# Altium PCB GUETflyminiV1.2.PcbDoc
Units mm, origin at the board's own origin, x right, y up, seen from the top; angles counter-clockwise.
Board outline 30.25 x 50.29 mm, 2 copper layers (Top Layer, Bottom Layer); 61 components, 52 nets, 251 pads, 81 vias.
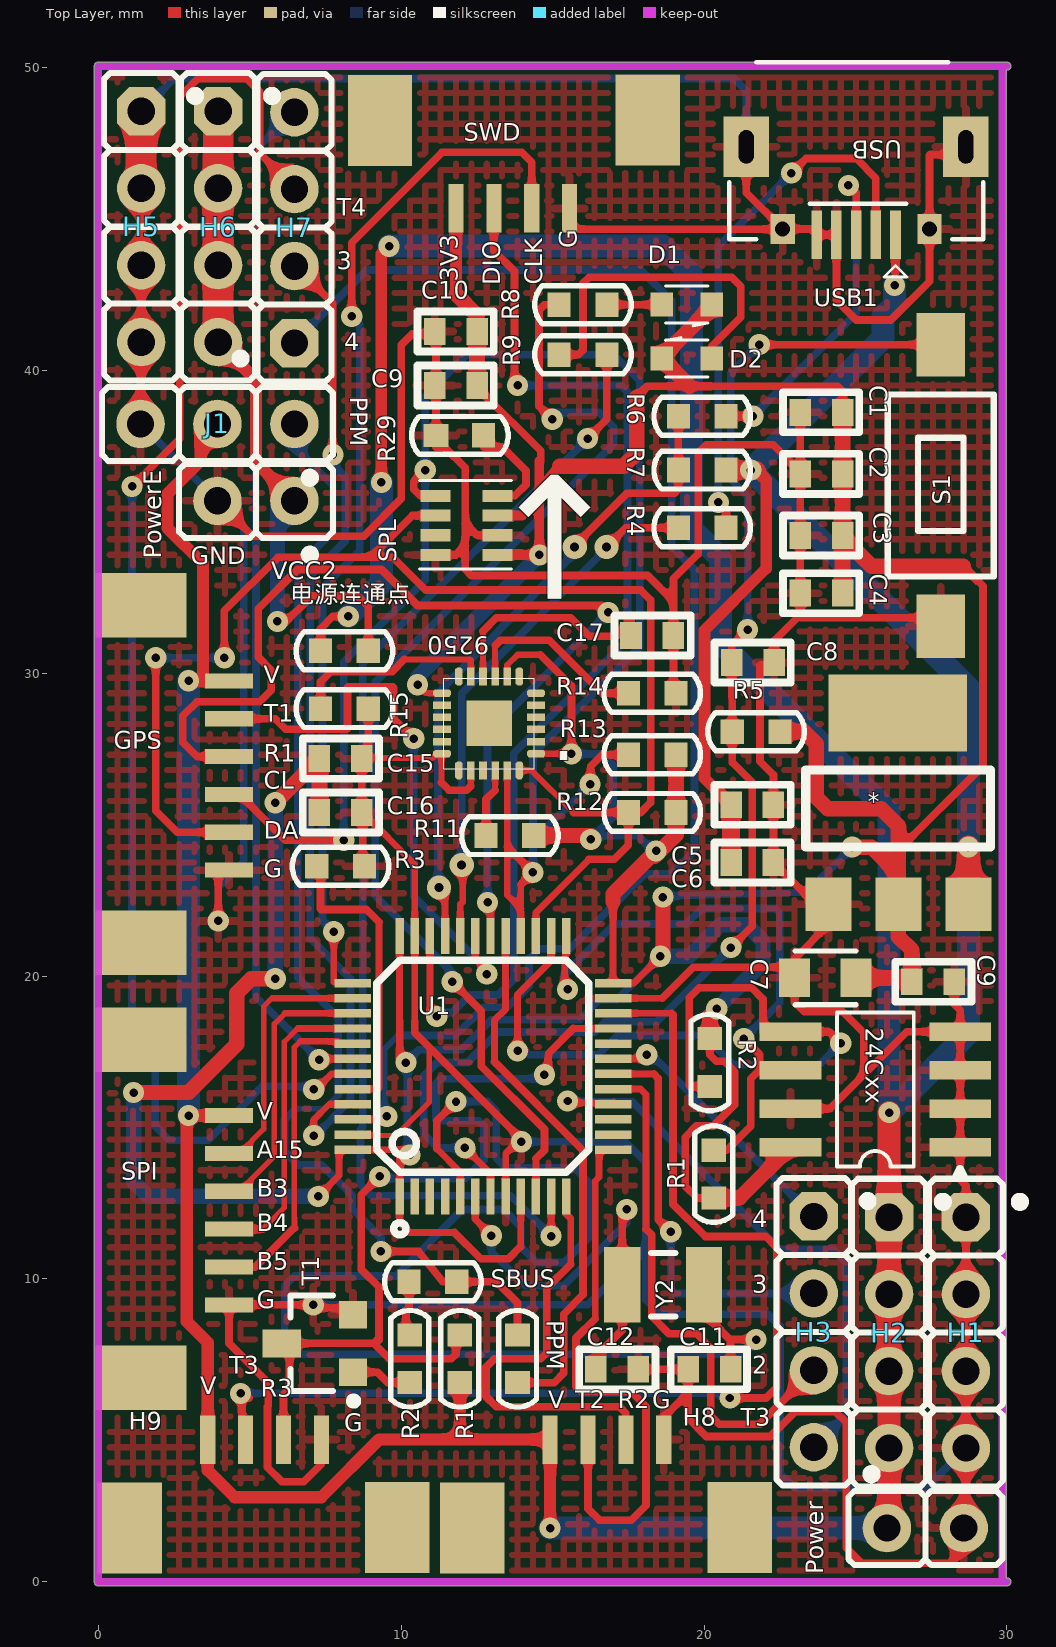
[diagram p0: Top Layer view]
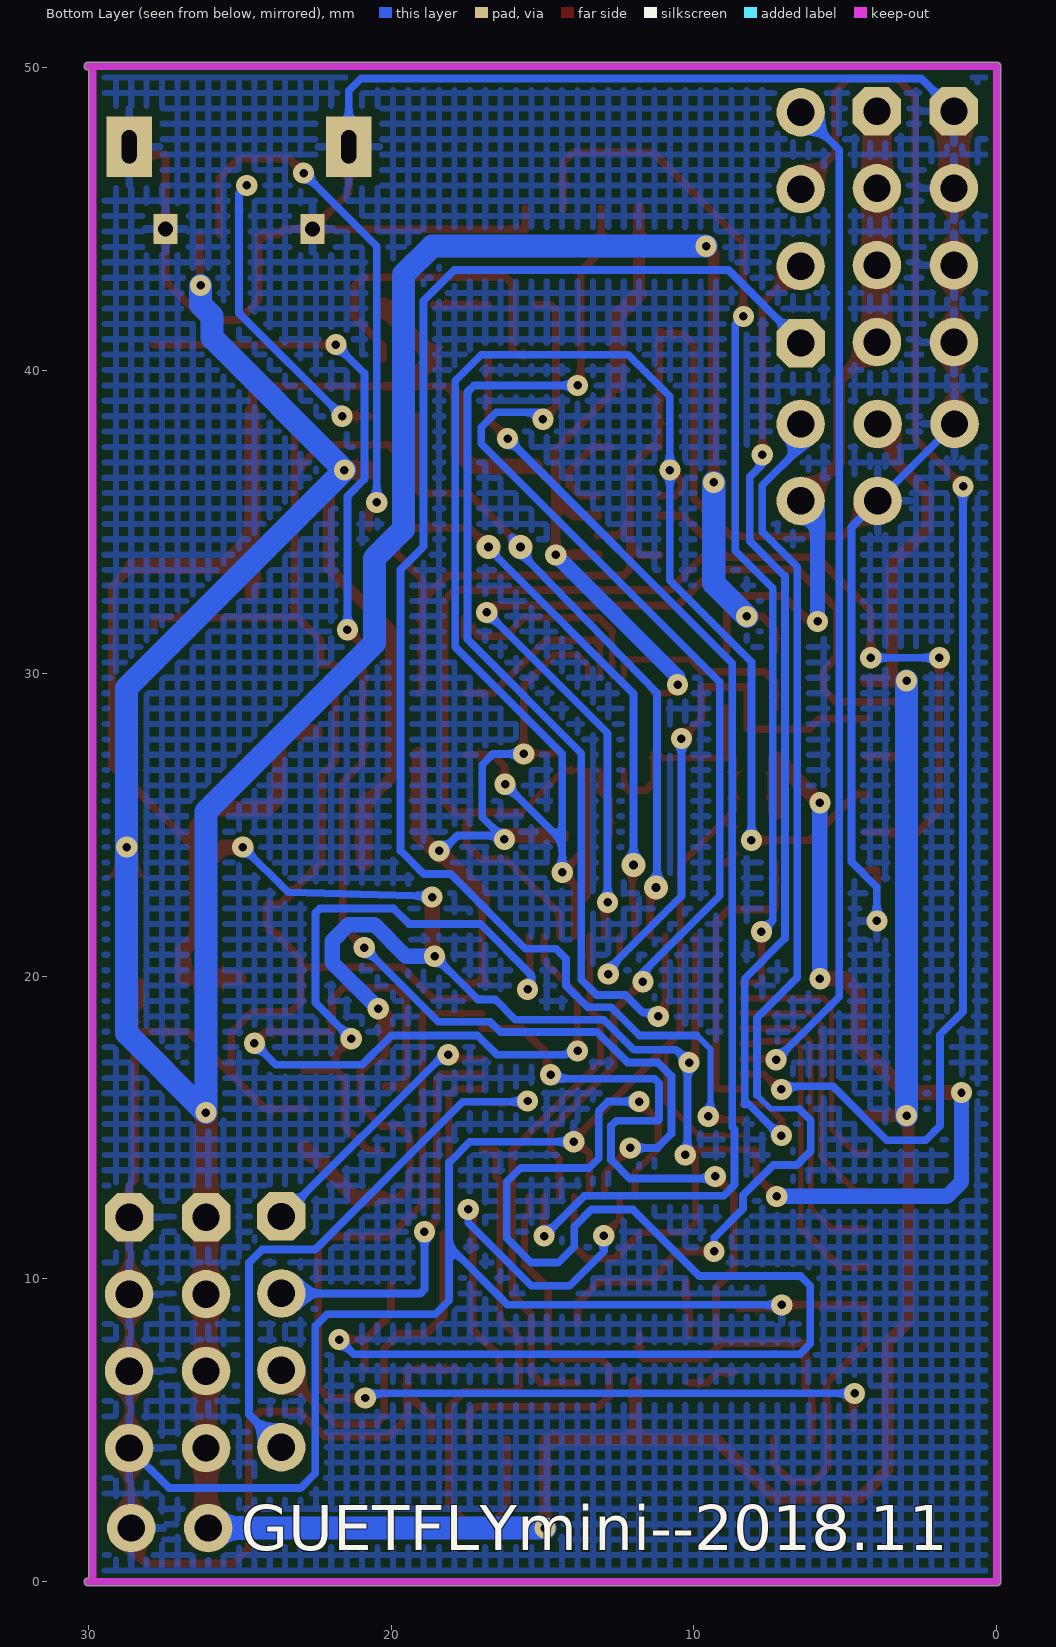
[diagram p1: Bottom Layer view, seen from below]

## Layer stack, top to bottom
Top Solder: solder mask 0.0102, Solder Resist, Dk 3.5
Top Layer: signal copper 0.0356
Dielectric1: dielectric 0.32, FR-4, Dk 4.8
Bottom Layer: signal copper 0.0356
Bottom Solder: solder mask 0.0102, Solder Resist, Dk 3.5

## Board outline
-0.127,0 -0.127,50 cw(c0,50) -0.126,50.019 cw(c0,50.038) 0,50.165 30,50.165 cw(c30,50.038) 30.127,50.038 cw(c30,50.038) 30,49.911 29.972,49.911 29.972,0.127 30,0.127 cw(c30,0) 30.127,0 cw(c30,0) 30,-0.127 0,-0.127 cw(c0,0)

## Design rules (kind name [scope] priority, off if disabled: settings)
Clearance [All] p1: gap=0.152
DiffPairsRouting DiffPair_DiffPairsRouting [InDifferentialPair ('USB')] p1: maxlimit=0.254 minlimit=0.254 mostfreqgap=0.254 toplayer_minwidth=0.381 toplayer_maxwidth=0.381 toplayer_prefwidth=0.381 bottomlayer_minwidth=0.381 bottomlayer_maxwidth=0.381 bottomlayer_prefwidth=0.381 maxuncoupledlength=12.7
DiffPairsRouting [All] p2: maxlimit=0.254 minlimit=0.254 mostfreqgap=0.254 toplayer_minwidth=0.381 toplayer_maxwidth=0.381 toplayer_prefwidth=0.381 bottomlayer_minwidth=0.381 bottomlayer_maxwidth=0.381 bottomlayer_prefwidth=0.381 maxuncoupledlength=12.7
MatchedLengths DiffPair_MatchedLengths [InDifferentialPair ('USB')] p1: tolerance=25.4 checknetsindiffpair=TRUE checkdiffpairvsdiffpair=TRUE checkothers=TRUE
PolygonConnect [All] p1: connectstyle=Direct reliefconductorwidth=0.254 reliefentries=4 polygonreliefangle="90 Angle" airgapwidth=0.254
RoutingCorners [All] p1: cornerstyle=45-Degree minsetback=0.254 maxsetback=0.254
RoutingVias [All] p1: holewidth=0.28 width=0.7 viastyle="Through Hole" minholewidth=0.25 minwidth=0.6 maxholewidth=0.3 maxwidth=0.8
SMDNeckDown [All] p1: percent=80.000
SolderMaskExpansion [All] p1: expansion=0.102
Width 3V3 [InNet('3V3')] p1: maxlimit=0.762 minlimit=0.254 preferedwidth=0.508
Width VCC [InNet('VCC')] p2: maxlimit=1.524 minlimit=0.254 preferedwidth=0.762
Width [All] p3: maxlimit=0.254 minlimit=0.152 preferedwidth=0.254 minimp=50.000000 maximp=50.000000 favimp=50.000000
28 further rules are at their usual default settings.

## Classes and differential pairs
differential pair USB: +USB_P -USB_N

## Components (designator, comment, footprint, x,y, rotation, side; value= is the part's Value field where it differs from the comment)
24Cxx "Device" SO-8 25.654,16.256 r90 top
9250 "MPU9250" MPU9250_ 12.827,28.194 r270 top
* "AMS1117" "TO 233" 26.416,25.527 r0 top
C1 "104" "0603/1608 C1" 23.876,38.608 r0 top
C2 "104" "0603/1608 C1" 23.876,36.576 r0 top
C3 "104" "0603/1608 C1" 23.876,34.544 r0 top
C4 "104" "0603/1608 C1" 23.876,32.639 r0 top
C5 "106" "0603/1608 C1" 21.59,25.654 r180 top
C6 "104" "0603/1608 C1" 21.59,23.749 r180 top
C7 "106" "0805/2012 C6" 24.003,19.939 r0 top
C8 "105" "0603/1608 C1" 21.615,30.353 r0 top
C9 "104" "0603/1608 C1" 11.811,39.497 r0 top
C9 "104" "0603/1608 C1" 27.559,19.812 r180 top
C10 "104" "0603/1608 C1" 11.811,41.275 r0 top
C11 "20p" "0603/1608 C1" 20.174,7.019 r0 top
C12 "20p" "0603/1608 C1" 17.126,7.019 r180 top
C15 "104" "0603/1608 C1" 8.001,27.178 r180 top
C16 "102" "0603/1608 C1" 8.001,25.4 r180 top
C17 "104" "0603/1608 C1" 18.288,31.242 r180 top
D1 "LED2" "0603/1608 LEDG" 19.431,42.164 r180 top
D2 "LED2" "0603/1608 LEDR" 19.431,40.386 r0 top
GPS "Family" "SMT1.25mm 6P" 2.54,26.543 r90 top
H1 "Header 4" COMATEL_385.0358.1.04.400 28.646,12.038 r270 top
H2 "Header 4" COMATEL_385.0358.1.04.400 26.106,12.038 r270 top
H3 "Header 4" COMATEL_385.0358.1.04.400 23.622,12.065 r270 top
H5 "Header 4" COMATEL_385.0358.1.04.400 1.419,48.545 r270 top
H6 "Header 4" COMATEL_385.0358.1.04.400 3.959,48.545 r270 top
H7 "Header 4" COMATEL_385.0358.1.04.400 6.477,40.894 r90 top
H8 "Header 4" "SMT1.25mm 4P" 16.764,3.048 r180 top
H9 "Header 4" "SMT1.25mm 4P" 5.461,3.048 r180 top
J1 "Family" COMATEL_385.0358.1.03.400 6.477,38.227 r180 top
Power "Header 2" COMATEL_385.0358.1.02.400 26.035,1.778 r0 top
PowerE "Header 2" COMATEL_385.0358.1.02.400 6.477,35.687 r180 top
PPM "0" "0603/1608 R4"#1 13.843,7.366 r90 top
R1 "10k" "0603/1608 R4"#1 11.938,7.366 r270 top
R1 "10k" "0603/1608 R4"#1 20.32,13.462 r270 top
R2 "1k" "0603/1608 R4"#1 10.287,7.366 r270 top
R2 "10k" "0603/1608 R4"#1 20.193,17.145 r90 top
R3 "10k" "0603/1608 R4"#1 8.001,23.622 r180 top
R4 "22R" "0603/1608 R4"#1 19.939,34.798 r180 top
R5 "10k" "0603/1608 R4"#1 21.717,28.067 r0 top
R6 "22R" "0603/1608 R4"#1 19.939,38.481 r180 top
R7 "10k" "0603/1608 R4"#1 19.939,36.703 r180 top
R8 "1k" "0603/1608 R4"#1 16.002,42.164 r180 top
R9 "1k" "0603/1608 R4"#1 16.002,40.513 r0 top
R11 "10k" "0603/1608 R4"#1 13.589,24.638 r0 top
R12 "10k" "0603/1608 R4"#1 18.288,25.4 r0 top
R13 "10k" "0603/1608 R4"#1 18.288,27.305 r0 top
R14 "10k" "0603/1608 R4"#1 18.288,29.337 r180 top
R15 "10k" "0603/1608 R4"#1 8.128,28.829 r0 top
R29 "10k" "0603/1608 R4"#2 11.938,37.846 r0 top
S1 "SW-PB1" PB_TYCO_FSMSM 27.813,36.195 r90 top
SBUS "0" "0603/1608 R4"#1 11.049,9.906 r0 top
SPI "Family" "SMT1.25mm 6P" 2.54,12.192 r90 top
SPL "SPL06_001" FBM320 12.065,34.925 r0 top (schematic designator SPL06-001)
SWD "Header 4" "SMT1.25mm 4P" 13.716,46.99 r0 top
T1 "Device" "SOT-23 Q5" 7.239,7.874 r90 top
U1 "STM32F103C8T6" LQFP-48L 12.7,17.018 r180 top
USB1 "USB_mini_B" mirco_usb 24.892,47.371 r180 top
Y2 "8Mhz" XTAL_MICRO-CRYSTAL_CC6F-T1A 18.65,9.813 r0 top
电源连通点 "0" "0603/1608 R4"#1 8.128,30.734 r180 top (schematic designator POWER_CONNECT)

## Footprints (in the part's own frame and the unit in brackets; to place one, negate y for a bottom-side part, rotate by r counter-clockwise, add the part's x,y. Pads: shape width x height; smd on the part's side, far side on the other; paste and mask are expansions set on the pad)
"0603/1608 C1" [mil]
  rect 28x35 smd mask+2.76: 1(-27.56,0)
  rect 28x35 smd mask+2: 2(27.56,0)
  silkscreen extent -50,-26 49,26, body extent -42,-18 42,18, height 31
"0603/1608 LEDG" [mm] "Kingbright,1608,LED,400 mcd 120*"
  rect 0.75x0.8 smd: 1(0.826,0) 2(-0.826,0)
  silkscreen extent -0.7,-0.61 0.7,0.71, body extent -1.21,-0.41 1.21,0.41, height 0.35
"0603/1608 LEDR" [mm]
  rect 0.75x0.8 smd: 1(0.826,0) 2(-0.826,0)
  silkscreen extent -0.7,-0.61 0.7,0.7, body extent -1.21,-0.41 1.21,0.41, height 0.79
"0603/1608 R4"#1 [mil]
  rect 30x32 smd: 1(-31,0)
  rect 30x32 smd mask+2.76: 2(31,0)
  silkscreen extent -63,-25 63,25, body extent -46,-16 46,16, height 16
"0603/1608 R4"#2 [mil]
  rect 32x30 smd: 1(-31,0)
  rect 30x32 smd mask+2.76: 2(31,0)
  silkscreen extent -63,-25 63,25, body extent -46,-16 46,16, height 16
"0805/2012 C6" [mil]
  rect 40x50 smd: 1(-40,0)
  rect 40x50 smd mask+4: 2(40,0)
  silkscreen extent -39,-35 39,35, body extent -60,-25 60,25, height 39
COMATEL_385.0358.1.02.400 [mm] "2 Contacts Straight Strip Header Pitch 2.54mm L=6.3mm ''Mini-Wire-Wrap''"
  round 1.6 hole 0.9: 1(0,0) 2(2.54,0)
  silkscreen extent -1.27,-1.22 3.81,1.93, body extent -1.27,-1.22 3.81,1.23, height 8
COMATEL_385.0358.1.03.400 [mm] "3 Contacts Straight Strip Header Pitch 2.54mm L=6.3mm ''Mini-Wire-Wrap''"
  round 1.6 hole 0.9: 1(0,0) 2(2.54,0) 3(5.08,0)
  silkscreen extent -1.27,-1.22 6.35,1.93, body extent -1.27,-1.22 6.35,1.23, height 8
COMATEL_385.0358.1.04.400 [mm] "4 Contacts Straight Strip Header Pitch 2.54mm L=6.3mm ''Mini-Wire-Wrap''"
  oct 1.6x1.6 hole 0.9: 1(0,0)
  round 1.6 hole 0.9: 2(2.54,0) 3(5.08,0) 4(7.62,0)
  silkscreen extent -1.27,-1.23 8.89,1.93, body extent -1.27,-1.22 8.89,1.23, height 8
FBM320 [mm]
  rect 1x0.4 smd: 1(-0.931,-1.025) 2(-0.931,-0.375) 3(-0.931,0.275) 4(-0.931,0.925) 5(1.119,0.925) 6(1.119,0.275) 7(1.119,-0.375) 8(1.119,-1.025)
  round 0.6 on Top Overlay: 8(-0.943,-1.765)
  silkscreen extent -1.46,-1.49 1.58,1.43, body extent -1.4,-1.52 1.52,1.52, height 2
LQFP-48L [mil] "LQFP-48L_DM9161A_"
  rrect0% 11x47 smd: 1(108.27,169.29) 2(88.58,169.29) 3(68.9,169.29) 4(49.21,169.29) 5(29.53,169.29) 6(9.84,169.29) 7(-9.84,169.29) 8(-29.53,169.29) 9(-49.21,169.29) 10(-68.9,169.29) 11(-88.58,169.29) 12(-108.27,169.29) 25(-108.27,-169.29) 26(-88.58,-169.29) 27(-68.9,-169.29) 28(-49.21,-169.29) 29(-29.53,-169.29) 30(-9.84,-169.29) 31(9.84,-169.29) 32(29.53,-169.29) 33(49.21,-169.29) 34(68.9,-169.29) 35(88.58,-169.29) 36(108.27,-169.29)
  rrect0% 47x11 smd: 13(-169.29,108.27) 14(-169.29,88.58) 15(-169.29,68.9) 16(-169.29,49.21) 17(-169.29,29.53) 18(-169.29,9.84) 19(-169.29,-9.84) 20(-169.29,-29.53) 21(-169.29,-49.21) 22(-169.29,-68.9) 23(-169.29,-88.58) 24(-169.29,-108.27) 37(169.29,-108.27) 38(169.29,-88.58) 39(169.29,-68.9) 40(169.29,-49.21) 41(169.29,-29.53) 42(169.29,-9.84) 43(169.29,9.84) 44(169.29,29.53) 45(169.29,49.21) 46(169.29,68.9) 47(169.29,88.58) 48(169.29,108.27)
  silkscreen extent -138,-138 138,219, body extent -193,-193 193,193, height 63
mirco_usb [mm]
  rect 0.35x1.6 smd: 1(-1.427,2.9) 2(-0.777,2.9) 3(-0.127,2.9) 4(0.523,2.9) 5(1.173,2.9)
  rect 1.5x2 hole 0.5 slot 1.1 at 90 deg: 5(-3.752,0) 5(3.498,0)
  rect 0.8x1 hole 0.5: 5(-2.552,2.71) 5(2.298,2.71)
  silkscreen extent -4.32,-2.79 4.06,4.3, body extent -4.13,-2.71 3.87,2.89, height 2.8
MPU9250_ [mm]
  oct 0.25x0.6 smd mask+0.05: 1(0.854,1.626) 6(-1.146,1.626) 13(-1.146,-1.474) 18(0.854,-1.474)
  rect 0.25x0.6 smd mask+0.05: 2(0.454,1.626) 3(0.054,1.626) 4(-0.346,1.626) 5(-0.746,1.626) 14(-0.746,-1.474) 15(-0.346,-1.474) 16(0.054,-1.474) 17(0.454,-1.474)
  oct 0.6x0.25 smd mask+0.05: 7(-1.696,1.076) 12(-1.696,-0.924) 19(1.404,-0.924) 24(1.404,1.076)
  rect 0.6x0.25 smd mask+0.05: 8(-1.696,0.676) 9(-1.696,0.276) 10(-1.696,-0.124) 11(-1.696,-0.524) 20(1.404,-0.524) 21(1.404,-0.124) 22(1.404,0.276) 23(1.404,0.676)
  rect 1.5x1.5 smd mask+0.05: 25(-0.146,0.076)
  silkscreen extent -1.64,-1.42 1.35,1.57, body extent -2,-1.77 1.7,1.93, height 1
PB_TYCO_FSMSM [mm] "Body 3.5x6.0mm, Pushbutton Switch,  TYCO FSMSM Serie"
  rect 2.1x1.6 smd: 1(-4.65,0) 2(4.65,0)
  silkscreen extent -3,-1.75 3,1.75, body extent -5,-1.75 5,1.75, height 4.3
"SMT1.25mm 4P" [mm]
  rect 2.124x3 smd: 0(-4.412,1.249) 0(4.422,1.27)
  rect 0.5x1.6 smd: 1(-1.905,-1.651) 2(-0.655,-1.651) 3(0.595,-1.651) 4(1.845,-1.651)
  body extent -4.57,-1.65 4.95,2.92, height 4.75
"SMT1.25mm 6P" [mm]
  rect 2.124x3 smd: 0(-5.448,1.122) 0(5.702,1.122)
  rect 0.5x1.6 smd: 1(-3.048,-1.778) 2(-1.798,-1.778) 3(-0.548,-1.778) 4(0.702,-1.778) 5(1.952,-1.778) 6(3.202,-1.778)
  body extent -5.46,-1.91 5.71,2.79, height 4.75
SO-8 [mil]
  rect 24x80 smd mask+2.76: 1(-75,-110.24) 2(-25,-110.24) 3(25,-110.24) 4(75,-110.24) 5(75,110.24) 6(25,110.24) 7(-25,110.24)
  rect 24x80 smd: 8(-75,110.24)
  silkscreen extent -113,-115 100,50, body extent -96,-150 96,150, height 54
"SOT-23 Q5" [mm]
  rect 0.914x0.914 smd mask+0.07: 1(-0.95,-1.175) 2(0.95,-1.175)
  rect 0.924x1.27 smd: 3(0,1.175)
  silkscreen extent -2.03,-1.32 1.57,0.89, body extent -1.55,-1.68 1.55,1.67, height 1.1
"TO 233" [mil]
  rect 60x70 smd mask+2.76: 1(-91,-124.29) 2(0,-124.29) 3(91,-124.29)
  rect 180x100 smd: ""(-1,124.29)
  silkscreen extent -120,-50 120,50, body extent -128,-138 128,138, height 71
XTAL_MICRO-CRYSTAL_CC6F-T1A [mm] "DFN Case Style, Cristal, Body 3.5x2.5mm, CC6F-T1A Serie"
  rect 1.2x2.5 smd: 1(-1.35,0) 2(1.35,0)
  silkscreen extent -0.4,-1.05 0.4,1.05, body extent -1.95,-1.25 1.95,1.25, height 0.8

## Part data
24Cxx: library part AT24C64AN-10SU, "64K (8192 x 8), Two-Wire Serial EEPROM"
C1 C2 C3 C4 C5 C6 C7 C9: library part "0805/2012 C3"
C8 C11 C12 C15 C16 C17: library part "0603/1608 C1"
C9 C10: library part "Cap Chip 1206", "Cap_0603"
D1 D2: "Typical RED, GREEN, YELLOW, AMBER GaAs LED"
GPS SPI: library part "Connector 6 Male", "Connector 6 Male"
H1 H2 H3 H5 H6 H7 H8 H9 SWD: "Header, 4-Pin"
J1: library part "Connector 3 Male", "Connector 3 Male"
Power PowerE: "Header, 2-Pin"
PPM R1 R1 R2 R2 R3 R4 R5 R6 R7 R8 R9 R11 R12 R13 R14 R15 R29 SBUS 电源连通点: library part Resistor, "Resistor"
S1: "Switch"
SPL: library part FBM320
T1: library part "NPN B1 E2 C3", "NPN Transistor"
U1: "STM32 ARM-based 32-bit MCU with 64 Kbytes Flash, 48-pin LQFP, Industrial Temperature"
Y2: library part XTAL, "Crystal Oscillator"

## Via types
v1: diameter 0.7, hole 0.28, Top Layer to Bottom Layer, 77 vias
v2: diameter 0.8, hole 0.3, Top Layer to Bottom Layer, 4 vias

## Nets (pads, with @x,y where several pads share a name; then routed paths per layer and width w, separated by ;. In a path a pad name is that pad's centre, name@x,y a point inside that pad or via, vN(x,y) a via of type N, cw(c..) or ccw(c..) an arc to the next point about the centre after c; other vN are vias at no path point)
3V3: 24Cxx.8 9250.1 9250.8 9250.13 *.2 C1.2 C2.2 C3.2 C4.2 C7.2 C9.2 C10.2 C15.2 C16.2 D1.2 D2.2 R1.2@20.32,12.675 R2.2@20.193,17.932 R5.2 R11.2 R12.2 R13.2 SPL.6 SPL.8@13.184,33.9 SWD.1 U1.1 U1.9 U1.24 U1.36 U1.48 | length 186
  Top Layer w0.2: v1(10.541,29.616) 10.817,29.34 9250.13 ; 9250.8 13.503,30.267 13.843,30.607 14.592,30.607 ; 9250.1 v1@15.611,27.34
  Top Layer w0.224: v1(7.264,12.725) 7.95,13.411 7.95,14.268 U1.48 v1@10.116,14.268 ; 9.95,18.525 U1.36 ; v1(10.287,14.097) 10.16,14.224 9.95,14.014 U1.1 9.95,11.869 10.287,11.532 11.76,11.532 ; 13.95,11.074 U1.9 ; U1.24@16.815,19.768 U1.24@16.993,19.768 ; 16.993,22.454 U1.24@16.993,19.768 ; 18.009,20.091 17.685,19.768 17.678,19.768 ; v1@18.644,20.606 v1(18.561,20.65) 17.678,19.768 ; U1.24@16.993,19.768 U1.24 17.678,19.768
  Top Layer w0.254: 9.95,18.525 9.95,17.355 v1(10.16,17.145) ; 11.76,11.532 12.624,10.668 13.544,10.668 13.95,11.074 ; C9.2@12.7,39.243 14.605,37.338 14.605,36.957 ; 14.584,36.174 15.24,36.83 ; 14.592,30.607 15.621,29.578 15.621,27.594 v1@15.611,27.34 ; 17.78,39.116 18.136,39.472 24.409,39.472 24.576,39.305 C1.2 ; R2.2@20.193,17.932 20.193,17.399 20.409,17.183 20.663,17.183 21.006,16.84 21.006,15.748 20.308,15.05 19.749,15.05 19.38,14.681 19.38,13.063 19.769,12.675 R1.2@20.32,12.675 ; 26.416,24.155 29.21,26.949 29.21,32.868 28.55,33.528
  Top Layer w0.32: SPL.6 13.995,35.2 14.563,35.767 ; 14.021,33.925 13.184,33.9 v1(14.563,33.9) 14.563,35.767 ; 14.563,36.999 14.563,35.767
  Top Layer w0.4: 11.811,42.508 SWD.1 ; C10.2 12.511,41.808
  Top Layer w0.488: 21.178,12.675 24Cxx.8
  Top Layer w0.508: v1(1.168,16.154) 2.984,16.154 4.572,17.742 4.572,19.431 5.055,19.914 v1(5.842,19.914) ; v1(5.842,25.719) C15.2 C16.2 ; 11.811,42.508 12.511,41.808 ; C9.2@12.511,39.497 C10.2 ; R11.2 v1@16.256,24.638 ; 15.24,36.83 17.348,36.83 17.78,37.262 17.78,39.116 ; v1@15.611,27.34 v1(15.621,27.33) ; 16.993,22.454 16.993,22.708 v1@18.364,24.079 ; v1(18.415,24.13) v1@18.364,24.079 ; D2.2 19.52,39.472 ; D2.2@18.605,40.437 20.256,42.088 D1.2 ; v1@18.644,20.606 v1@18.644,22.634 ; R13.2 R12.2 19.075,24.663 18.364,23.952 v1@18.364,24.079 ; R2.2@20.193,17.932 20.193,18.694 v1(20.422,18.923) ; R1.2@20.32,12.675 21.178,12.675 ; R5.2 23.304,28.067 23.698,27.673 23.698,25.908 24.079,25.527 25.845,25.527 26.416,24.956 26.416,24.155 26.416,23.368 ; C4.2 C3.2@24.576,34.479 ; C1.2 C2.2 C3.2 C3.2@24.576,34.479 ; v1(24.892,24.257) 25.527,24.257 26.416,23.368 ; C7.2 26.859,19.939 26.859,20.853 26.416,21.296 *.2 26.416,23.368 ; 28.55,33.528 25.527,33.528 C3.2@24.576,34.479
  Bottom Layer w0.254: v1(10.16,17.145) v1@10.211,17.196 ; v1@10.211,14.205 v1@10.211,17.196 ; v1(15.621,27.33) 16.637,27.33 16.993,26.975 16.993,25.248 16.383,24.638 17.805,24.638 v1@18.364,24.079 ; v1(18.561,20.65) 17.138,19.228 16.561,19.228 15.895,18.562 12.974,18.562 11.982,17.57 10.585,17.57 v1@10.211,17.196 ; v1@18.644,22.634 23.396,22.761 v1(24.892,24.257)
  Bottom Layer w0.508: v1(1.168,16.154) 1.168,13.208 1.651,12.725 v1(7.264,12.725) ; v1(5.842,19.914) v1(5.842,25.719) ; v1(10.541,29.616) 10.541,29.878 v1(14.563,33.9) ; v1(18.561,20.65) 19.502,20.65 20.546,21.694 21.399,21.694 21.946,21.148 21.946,20.447 v1(20.422,18.923)
  other v1: 18.644,22.606 16.256,24.511
BOOT0: R3.2 U1.44 | length 10
  Top Layer w0.224: U1.44 9.246,16.268 9.271,16.293 9.271,21.78
  Top Layer w0.254: R3.2@7.341,23.749 7.341,22.225 7.366,22.2 8.852,22.2 9.271,21.78
GND: 24Cxx.1 24Cxx.2 24Cxx.3 24Cxx.4 24Cxx.7 9250.18 9250.20 *.1 C1.1 C2.1 C3.1 C4.1 C5.1 C6.1 C7.1 C8.2 C9.1 C10.1 C11.1 C12.1 C15.1 C16.1 C17.1 GPS.1 H1.1 H1.2 H1.3 H1.4 H5.1 H5.2 H5.3 H5.4 H8.1 H9.1 J1.3 Power.2 PowerE.2 R3.1 R14.1 R15.2 R29.1 S1.1 SPI.1 SPL.1 SPL.7 SWD.4 T1.2 U1.8 U1.23 U1.35 U1.47 USB1.4 USB1.5 | length 285.8
  Top Layer w0.178: U1.47@8.431,14.738 9.836,14.738 10.922,15.824 10.922,17.57
  Top Layer w0.2: C15.1@8.701,27.203 11.039,27.203 11.176,27.34 9250.18@11.328,27.34 ; 11.328,26.391 9250.18@11.328,27.34 ; 9250.18 9250.18@11.328,27.34 ; 12.303,26.273 9250.20
  Top Layer w0.224: C16.1@8.719,25.418 10.45,23.688 U1.35 10.45,18.506 ; U1.8 13.45,14.136 13.843,14.529 v1@13.843,14.732 ; U1.23 18.618,19.268
  Top Layer w0.254: J1.3 1.397,39.548 1.419,39.57 H5.4 H5.3 H5.2 ; PowerE.2 5.105,34.519 8.763,34.519 10.008,35.763 10.008,40.831 10.376,41.199 C10.1@11.111,41.199 ; v1(3.962,21.819) 3.962,23.495 GPS.1 ; H9.1 7.366,3.886 6.782,3.302 6.068,3.302 5.587,3.783 5.587,5.615 5.588,5.616 5.588,5.791 5.613,5.817 5.613,6.579 4.318,7.874 SPI.1 v1(7.099,9.144) 7.195,9.049 8.419,9.019 T1.2@8.509,9.017 ; R3.1@8.915,23.749 8.701,23.963 8.732,23.994 8.732,25.431 8.701,25.462 C15.1 8.701,27.203 8.915,27.418 R15.2 ; 10.45,18.506 10.45,18.125 v1@13.843,14.732 ; C10.1 11.151,41.235 11.151,37.465 11.43,37.465 12.116,36.779 12.116,34.944 ; SPL.1 11.802,33.9 12.116,34.214 ; 11.328,26.391 11.582,26.137 12.167,26.137 12.303,26.273 ; SPL.7 12.509,34.55 12.116,34.944 ; SWD.4 15.561,44.653 22.594,44.653 USB1.5@22.594,44.661 ; C12.1 C11.1 19.474,6.241 ; 18.618,19.268 19.645,20.295 C7.1@22.987,20.295 ; H8.1 18.669,5.436 19.474,6.241 ; R14.1 18.988,29.424 C17.1 18.988,32.371 ; USB1.5@21.394,47.371 21.394,45.861 USB1.5@22.594,44.661 ; 24Cxx.7 24.155,15.621 26.695,18.161 24Cxx.4 ; C2.1@23.114,36.576 23.114,36.703 22.283,37.534 20.072,37.534 19.812,37.274 19.812,33.934 18.988,33.11 18.988,32.371 ; C1.1 C2.1 C3.1 C4.1 23.176,31.925 ; 25.273,16.739 25.273,18.123 24.575,18.821 23.304,18.821 22.987,19.139 C7.1 C7.1@22.987,20.295 ; S1.1 27.813,31.826 23.201,31.826 23.176,31.852 23.176,31.925 ; C9.1@28.259,19.812 28.259,19.067 28.454,18.872 24Cxx.4 ; Power.2 28.575,3.048 28.646,3.119 ; USB1.5@28.644,47.371 28.644,47.117 27.469,47.117 27.444,47.092 27.444,44.661 27.444,42.938 26.162,41.656 25.019,41.656 24.369,42.306 USB1.4 23.719,44.471 23.529,44.661 USB1.5@22.594,44.661 ; 12.116,34.214 12.116,34.944 ; 12.116,34.214 12.116,33.426 12.319,33.223 18.136,33.223 18.988,32.371 ; 19.474,6.241 19.474,5.398 20.072,4.801 22.188,4.801 23.011,5.623 24.336,5.623 24.689,5.271 24.689,1.132 25.209,0.611 28.114,0.611 28.646,1.143 28.646,3.119 ; C7.1@22.987,20.295 22.987,20.574 24.105,21.692 *.1 23.669,22.37 C6.1 C5.1 22.29,26.645 21.844,27.091 21.844,30.251 21.869,30.277 22.315,30.277 C8.2 22.315,31.064 23.176,31.925 ; 24Cxx.4 24Cxx.3 24Cxx.2 24Cxx.1 28.454,13.273 28.646,13.081 H1.1 H1.2 H1.3 H1.4 28.646,3.119
  Top Layer w1: H5.2 H5.1
  Bottom Layer w0.254: J1.3 PowerE.2 4.801,34.823 4.801,23.774 3.962,22.936 v1(3.962,21.819) ; H5.1 2.506,49.632 20.988,49.632 21.394,49.225 USB1.5@21.394,47.371 ; v1(7.099,9.144) 16.154,9.144 18.085,11.074 ; v1@13.843,14.529 v1(13.97,14.529) 17.399,14.529 18.085,13.843 18.085,11.074 ; H1.4 27.327,3.099 22.987,3.099 22.504,3.581 22.504,8.445 22.111,8.839 18.542,8.839 18.085,9.296 18.085,11.074
LED1: R8.2 U1.10 | length 37.9
  Top Layer w0.224: U1.10 14.45,13.967
  Top Layer w0.254: v1(11.684,19.812) 12.649,18.847 12.649,17.025 14.732,14.942 14.732,14.249 14.45,13.967 ; v1(14.986,38.379) 14.554,38.811 14.554,41.986 14.732,42.164 R8.2
  Bottom Layer w0.254: v1(11.684,19.812) 11.684,20.117 9.15,22.651 9.15,29.704 17.018,37.572 17.018,38.12 16.53,38.608 15.215,38.608 v1(14.986,38.379)
LED2: R9.2 U1.11 | length 39.3
  Top Layer w0.224: v1(14.95,11.415) U1.11
  Top Layer w0.254: v1(16.154,37.744) 16.789,38.379 R9.2
  Bottom Layer w0.254: v1@14.95,11.669 v1(14.95,11.415) 13.614,12.751 9.017,12.751 8.661,13.106 8.661,14.935 8.738,15.011 8.738,30.328 v1(16.154,37.744)
LED3: U1.14
LED4: U1.15
Net9250_9: 9250.9 R14.2 | length 6.2
  Top Layer w0.2: 9250.9 13.103,30.912
  Top Layer w0.254: 13.103,30.912 13.281,31.09 14.884,31.09 16.637,29.337 R14.2
Net9250_10: 9250.10 C17.2 | length 7.7
  Top Layer w0.2: 9250.10 12.703,31.385
  Top Layer w0.254: 12.703,31.385 13.144,31.826 15.603,31.826 16.216,31.213 17.065,31.213 17.341,31.489 17.475,31.623 17.475,31.775 17.501,31.801 17.563,31.801 17.588,31.775 C17.2
Net9250_11: 9250.11 R15.1 | length 6.7
  Top Layer w0.2: 10.109,30.455 12.278,30.455 12.303,30.429 9250.11
  Top Layer w0.254: R15.1 7.341,29.718 7.671,30.048 9.703,30.048 10.109,30.455
Net9250_22: 9250.22 R11.1 | length 2.3
  Top Layer w0.2: 13.103,26.133 9250.22
  Top Layer w0.254: R11.1 12.802,25.832 13.103,26.133
NetD1_1: D1.1 R8.1 | length 1.8
  Top Layer w0.254: R8.1 D1.1
NetD2_1: D2.1 R9.1 | length 11.2
  Top Layer w0.254: R9.1 15.85,40.513 16.002,40.665 16.002,42.862 16.205,43.066 20.917,43.066 21.209,42.774 21.209,41.745 20.256,40.792 D2.1
NetR2_2: R2.2@10.287,6.579 T1.1 | length 1.6
  Top Layer w0.254: T1.1@8.668,6.924 9.22,6.924 9.566,6.579 R2.2@10.16,6.579
NetR4_1: R4.1 USB1.2 | length 17.9
  Top Layer w0.254: v1(20.472,35.636) 20.726,35.382 R4.1 ; v1(22.885,46.507) 23.368,46.99 25.019,46.99 25.669,46.34 USB1.2
  Bottom Layer w0.254: v1(20.472,35.636) 20.472,44.094 v1(22.885,46.507)
NetR6_1: R6.1 USB1.3 | length 11.4
  Top Layer w0.254: R6.1 v1(21.615,38.481) ; v1(24.765,46.101) 25.019,45.847 USB1.3
  Bottom Layer w0.254: v1(21.615,38.481) 25.019,41.885 25.019,45.822
NetR29_2: R29.2 SPL.5 | length 3.3
  Top Layer w0.254: R29.2@12.725,37.465 13.335,37.465 14.123,36.677 14.123,36.221 13.752,35.85 SPL.5
OSCIN: C11.2 U1.5 Y2.2 | length 47.3
  Top Layer w0.224: 11.176,14.305 11.95,13.531 U1.5
  Top Layer w0.254: 11.176,14.305 11.176,15.221 v1(11.811,15.856) ; Y2.2 20,8.85 20.874,7.976 C11.2 20.874,8.001 v1(21.717,8.001)
  Bottom Layer w0.254: v1(11.811,15.856) 12.846,15.856 13.144,15.557 13.144,13.983 13.462,13.665 15.723,13.665 16.18,13.208 16.18,11.354 15.367,10.541 14.478,10.541 13.95,11.069 13.95,11.729 13.386,12.294 12.014,12.294 9.817,10.096 6.477,10.096 6.159,9.779 6.159,7.861 6.502,7.518 21.234,7.518 v1(21.717,8.001)
OSCOUT: C12.2 U1.6 Y2.1 | length 14
  Top Layer w0.224: U1.6 12.45,11.959 v1(12.979,11.43)
  Top Layer w0.254: C12.2 16.426,7.442 17.3,8.316 Y2.1 17.3,12.144 v1(17.45,12.294)
  Bottom Layer w0.254: v1(12.979,11.43) 12.979,10.897 14.097,9.779 15.367,9.779 17.45,11.862 v1(17.45,12.294)
PA15: SPI.5 U1.38 | length 8.6
  Top Layer w0.178: SPI.5@4.657,14.144 5.461,14.948 5.461,18.987 5.742,19.268
  Top Layer w0.224: 5.742,19.268 U1.38
  Top Layer w0.254: SPI.5 SPI.5@4.657,14.144
PB2: U1.20
PB3: SPI.4 U1.39 | length 9.1
  Top Layer w0.178: SPI.4@4.652,12.894 5.804,14.046 5.814,14.056 5.814,18.423 6.159,18.768
  Top Layer w0.224: 6.159,18.768 U1.39
  Top Layer w0.254: SPI.4 SPI.4@4.652,12.894
PB4: SPI.3 U1.40 | length 10
  Top Layer w0.178: 5.436,11.644 6.147,12.355 6.147,17.831 6.584,18.268
  Top Layer w0.224: 6.584,18.268 U1.40
  Top Layer w0.254: SPI.3 5.436,11.644
PB5: SPI.2 U1.41 | length 10.7
  Top Layer w0.178: 6.477,11.686 6.477,17.653 6.672,17.848
  Top Layer w0.224: 6.672,17.848 7.904,17.848 7.904,17.768 U1.41
  Top Layer w0.254: SPI.2 5.185,10.394 6.477,11.686
PPM_IN: PPM.1 U1.29 | length 17.7
  Top Layer w0.224: 13.081,17.168 13.081,18.542 13.441,18.902 13.441,20.473 13.45,20.482 U1.29
  Top Layer w0.254: 13.081,17.168 16.002,14.247 16.002,9.474 15.367,8.839 15.367,6.896 15.05,6.579 PPM.1
RESET: C8.1 R5.1 S1.2 U1.7 | length 44.6
  Top Layer w0.224: v1(12.106,14.326) 12.95,13.482 U1.7
  Top Layer w0.254: v1(20.887,20.938) 21.59,21.641 21.59,26.391 20.93,27.051 R5.1 20.93,29.185 20.915,29.199 C8.1 20.915,30.912 v1(21.438,31.434) ; v1(21.819,40.843) 27.813,40.843 S1.2
  Bottom Layer w0.254: v1(12.106,14.326) 11.214,14.326 10.745,14.795 10.745,16.7 11.189,17.145 12.192,17.145 13.202,18.155 16.392,18.155 16.732,18.495 18.444,18.495 v1(20.887,20.938) ; v1(21.438,31.434) 21.438,35.839 20.879,36.398 20.879,39.903 v1(21.819,40.843)
SBUS: R2.1@10.287,8.153 SBUS.1 | length 1.8
  Top Layer w0.254: R2.1@10.16,8.153 10.16,8.966 10.262,9.068 SBUS.1
SBUS/PPM: J1.1 PPM.2 SBUS.2 | length 37.9
  Top Layer w0.254: v1(9.335,10.909) 10.579,10.909 11.379,9.906 SBUS.2 13.144,9.906 13.843,9.207 13.843,8.534
  Bottom Layer w0.178: 6.528,15.621 7.475,15.621 7.919,16.066
  Bottom Layer w0.254: J1.1 6.477,37.465 7.747,36.195 7.747,34.671 6.59,33.514 6.59,19.953 7.919,18.624 7.919,16.066 ; 6.528,15.621 6.147,15.24 6.147,14.224 6.608,13.763 7.383,13.763 8.382,12.763 8.382,12.319 9.335,11.367 v1(9.335,10.909)
SCL: 9250.23 GPS.3 R13.1 SPL.4 U1.28 | length 61.3
  Top Layer w0.2: 13.503,22.667 13.503,24.267 9250.23
  Top Layer w0.224: 13.503,22.667 13.95,22.22 ; U1.28 13.95,22.22 ; 13.95,23.018 13.95,22.22
  Top Layer w0.254: GPS.3 4.663,25.995 6.172,24.486 v1(8.103,24.486) ; v1(10.795,36.703) 10.414,36.322 10.414,36.068 10.632,35.85 SPL.4 ; 13.503,24.267 v1(14.351,23.419) 13.95,23.018 ; v1(16.236,26.333) 16.256,26.352 16.256,26.924 16.637,27.305 R13.1
  Bottom Layer w0.254: v1(8.103,24.486) 8.103,30.369 10.795,33.061 v1@10.795,36.576 ; v1(10.795,36.703) 10.795,39.141 12.167,40.513 17.018,40.513 17.882,39.649 17.882,30.861 14.351,27.33 v1(14.351,23.419) 14.351,24.447 v1(16.236,26.333)
SCL2: 24Cxx.6 R1.1@20.32,14.249 U1.25 | length 20.7
  Top Layer w0.224: v1@15.373,19.691 U1.25
  Top Layer w0.254: R1.1@20.32,14.249 20.752,14.249 21.539,15.037 21.539,16.612 21.819,16.891 21.831,16.891 ; v1(21.311,17.932) 21.831,17.412 21.831,16.891 ; 24Cxx.6 21.831,16.891
  Bottom Layer w0.254: v1@15.367,19.558 15.367,20.035 17.053,21.721 19.408,21.721 19.915,22.228 22.357,22.228 22.494,22.09 22.494,19.116 v1(21.311,17.932)
  other v1: 15.494,19.558
SDA: 9250.24 GPS.2 R12.1 SPL.3 U1.27 | length 47.2
  Top Layer w0.2: 9250.24 14.3,26.79 15.69,25.4
  Top Layer w0.224: U1.27 14.45,22.098 16.203,23.851
  Top Layer w0.254: v1(1.898,30.505) 1.898,25.458 2.611,24.745 GPS.2 ; v1(4.166,30.505) 4.166,32.055 5.938,33.827 8.99,33.827 ; SPL.3 10.363,35.2 8.99,33.827 ; 15.69,25.4 R12.1 ; 16.203,23.851 17.031,23.851 17.501,24.32 R12.1 ; 8.99,33.827 9.721,33.827 10.808,32.741 17.907,32.741 18.237,32.41 18.237,25.73 17.907,25.4 R12.1
  Bottom Layer w0.254: v1(1.898,30.505) v1(4.166,30.505)
SDA2: 24Cxx.5 R2.1@20.193,16.358 U1.26 | length 26.3
  Top Layer w0.224: v1@14.097,17.559 13.843,17.813 13.843,19.391 14.95,20.498 U1.26
  Top Layer w0.254: R2.1@20.193,16.358 19.533,16.358 19.507,16.383 19.507,19.279 19.837,19.609 21.577,19.609 21.946,19.241 21.946,18.161 24Cxx.5 24.13,18.161 v1(24.511,17.78)
  Bottom Layer w0.254: v1(13.843,17.526) 14.097,17.526 14.224,17.399 16.502,17.399 17.138,18.035 19.993,18.035 20.959,17.069 23.8,17.069 v1@24.606,17.875
SWCLK: SWD.3 U1.37 | length 34.7
  Top Layer w0.224: v1(7.772,21.461) 7.772,19.793 U1.37
  Top Layer w0.254: v1(8.369,41.773) 8.369,44.212 11.351,47.193 13.981,47.193 14.311,46.863 SWD.3
  Bottom Layer w0.254: v1(7.772,21.461) 7.403,21.831 7.403,32.803 8.636,34.036 8.636,41.506 v1(8.369,41.773)
SWDIO: SWD.2 U1.34 | length 36.5
  Top Layer w0.224: v1@10.95,18.895 U1.34
  Top Layer w0.254: SWD.2 13.061,43.942 13.741,43.262 13.741,39.497 v1(13.843,39.497)
  Bottom Layer w0.254: v1(11.176,18.669) 11.303,18.796 11.684,18.796 12.263,19.375 13.215,19.375 13.716,19.875 13.716,27.356 17.475,31.115 17.475,36.83 17.475,39.281 17.259,39.497 v1(13.843,39.497) v1@13.741,39.497
TIM3_CH1: H3.4 U1.16 | length 19.4
  Top Layer w0.224: v1@15.575,15.794 U1.16@17.018,15.85
  Bottom Layer w0.254: v1@15.494,15.85 17.628,15.85 22.504,10.973 24.257,10.973 24.689,10.541 24.689,5.526 H3.4@23.604,4.441
  other v1: 15.494,15.875
TIM3_CH2: H3.3 U1.17 | length 17.4
  Top Layer w0.224: U1.17 17.907,16.268 18.085,16.09 18.085,11.639
  Top Layer w0.254: 18.085,11.639 18.268,11.455 18.268,8.763 18.844,8.188 19.752,8.188 20.224,7.716 20.224,5.486 20.503,5.207 21.83,5.207 H3.3@23.604,6.981
TIM3_CH3: H3.2 U1.18 | length 13.4
  Top Layer w0.224: U1.18 18.339,16.768
  Top Layer w0.254: 18.339,16.768 18.491,16.616 18.491,11.963 v1(18.898,11.557)
  Bottom Layer w0.254: v1(18.898,11.557) 18.898,9.652 19.028,9.521 H3.2@23.604,9.521
TIM3_CH4: H3.1 U1.19 | length 8.9
  Top Layer w0.224: U1.19 17.979,17.268 v1(18.11,17.399)
  Bottom Layer w0.254: v1(18.11,17.399) 18.266,17.399 H3.1@23.604,12.061
TIM4_CH1: H7.4 U1.42 | length 33.8
  Top Layer w0.224: v1(7.29,17.234) 7.324,17.268 U1.42
  Bottom Layer w0.254: H7.4@6.482,48.549 5.207,47.273 5.207,19.317 v1(7.29,17.234)
TIM4_CH2: H7.3 U1.43 | length 49.3
  Top Layer w0.224: v1@7.29,16.358 7.7,16.768 U1.43
  Top Layer w0.254: v1(1.118,36.164) 2.692,37.739 2.692,49.022 3.302,49.632 4.889,49.632 5.334,49.187 5.334,47.157 H7.3@6.482,46.009
  Bottom Layer w0.254: v1(1.118,36.164) 1.118,18.821 1.88,18.059 1.88,15.05 2.349,14.58 3.632,14.58 5.41,16.358 v1@7.29,16.358
  other v1: 7.112,16.256
TIM4_CH3: H7.2 U1.45 | length 33.1
  Top Layer w0.224: v1(7.112,14.732) 7.112,15.253 7.627,15.768 U1.45
  Top Layer w0.254: H7.2@6.482,43.469 7.74,42.211 7.74,37.218 v1(7.747,37.211)
  Bottom Layer w0.254: v1@7.16,14.732 8.326,15.897 ; v1(7.747,37.211) 7.747,36.881 8.153,36.474 8.153,34.361 6.996,33.203 6.996,21.242 8.326,19.912 8.326,15.897 ; 8.326,15.748 8.326,15.897
TIM4_CH4: H7.1 U1.46 | length 49.3
  Top Layer w0.224: U1.46 9.324,15.268 9.449,15.392 9.474,15.367 v1(9.525,15.367)
  Bottom Layer w0.203: v1@9.449,15.392 9.449,17.577 9.912,18.04
  Bottom Layer w0.254: H7.1@6.482,40.929 8.861,43.307 17.907,43.307 18.929,42.285 18.929,34.177 19.685,33.421 19.685,24.13 18.923,23.368 18.034,23.368 15.57,20.904 14.554,20.904 14.224,20.574 14.224,19.685 13.507,18.968 12.734,18.968 11.805,18.04 9.912,18.04 ; v1@9.449,15.392 9.474,15.367 v1(9.525,15.367)
USART1_RXD: GPS.4 U1.30 | length 33.8
  Top Layer w0.224: v1(12.852,22.428) 12.95,22.331 U1.30
  Top Layer w0.254: GPS.4 3.273,27.245 2.794,27.724 2.794,28.588 3.264,29.058 5.334,29.058 5.715,29.439 5.715,30.099 5.283,30.531 5.283,32.125 6.579,33.421 9.353,33.421 10.541,32.233 16.612,32.233 v1(16.84,32.004)
  Bottom Layer w0.254: v1(12.852,22.428) 12.852,28.016 v1(16.84,32.004)
USART1_TXD: GPS.5 U1.31 | length 18.8
  Top Layer w0.224: U1.31 12.45,20.595 v1@12.827,20.218
  Top Layer w0.254: GPS.5 5.842,28.495 6.194,28.143 8.204,28.143 8.23,28.169 8.23,29.515 8.255,29.54 9.728,29.54 9.754,29.515 9.754,28.499 v1(10.414,27.838)
  Bottom Layer w0.254: v1(10.414,27.838) 10.414,22.631 v1@12.827,20.218
  other v1: 12.827,20.066
USART2_RX: H8.2 U1.12 | length 14.4
  Top Layer w0.224: U1.12 15.45,12.141 15.596,11.996 15.596,10.49
  Top Layer w0.254: 15.596,10.49 14.808,9.703 14.808,7.569 14.605,7.366 13.081,7.366 12.802,7.087 12.802,6.121 13.145,5.778 17.209,5.778 17.419,5.568 H8.2
USART2_TX: H8.3 U1.13 | length 19
  Top Layer w0.224: 16.408,8.687 16.408,13.233 16.535,13.36 16.535,14.268 U1.13
  Top Layer w0.254: H8.3 16.169,2.413 16.55,2.032 17.59,2.032 18.085,2.527 18.085,5.779 17.59,6.274 15.951,6.274 15.773,6.452 15.773,8.052 16.408,8.687
USART3_RXD: H9.2 R1.1@11.938,8.153 T1.3 U1.21 | length 30.5
  Top Layer w0.224: 15.684,18.268 U1.21
  Top Layer w0.254: H9.2 6.116,6.172 6.318,6.374 6.318,7.874 9.093,7.874 ; 9.206,7.987 9.093,7.874 ; 9.271,7.987 9.271,9.728 8.687,10.312 8.687,12.776 v1(9.296,13.386) ; R1.1@11.811,8.153 11.811,7.518 11.659,7.366 9.601,7.366 9.093,7.874 ; v1@14.859,16.612 14.859,17.386 14.869,17.396 14.869,17.453 15.684,18.268
  Bottom Layer w0.254: v1(9.296,13.386) 9.368,13.314 12.12,13.314 12.736,13.929 12.736,15.055 12.564,15.227 11.19,15.227 11.151,15.265 11.151,16.459 11.303,16.612 v1@14.859,16.612
  other v1: 14.732,16.739
USART3_TXD: H9.3 U1.22 | length 36.1
  Top Layer w0.224: U1.22 18.923,18.768
  Top Layer w0.254: H9.3@4.739,5.08 4.739,6.339 v1@4.978,6.071 ; 18.923,18.768 18.974,18.717 18.974,12.471 20.041,11.405 22.034,11.405 22.403,11.036 22.403,6.426 22.047,6.071 v1(20.853,6.071)
  Bottom Layer w0.254: v1(4.699,6.223) v1@20.574,6.223
USB_N: R6.2 R7.2 U1.33 | length 22.5
  Top Layer w0.224: U1.33 v2@11.45,22.845
  Top Layer w0.254: v2(11.253,22.921) 11.526,22.921 v2@11.45,22.845 ; v2@15.729,34.213 17.457,35.941 19.025,35.941 19.152,36.068 R7.2 R6.2
  Bottom Layer w0.254: v2(11.253,22.921) 11.217,22.957 11.217,29.34 15.821,34.074 16.002,34.26 16.002,34.486 15.729,34.213 v2(15.729,34.163)
USB_P: R4.2 U1.32 | length 17.5
  Top Layer w0.224: U1.32 11.95,22.359 12.034,22.443 v2@12.034,23.631
  Top Layer w0.254: v2(11.998,23.666) v2@12.034,23.631 ; v2(16.783,34.163) 17.418,34.798 R4.2
  Bottom Layer w0.254: v2(11.998,23.666) 11.998,29.328 16.51,33.84 16.51,33.89 v2(16.783,34.163)
VCC: *.3 C5.2 C6.2 GPS.6 H2.1 H2.2 H2.3 H2.4 H8.4 H9.4 J1.2 Power.1 R1.2@11.938,6.579 R7.1 SPI.6 USB1.1 电源连通点.2 | length 188.7
  Top Layer w0.254: 电源连通点.2 7.341,31.466 7.747,31.873 v1(8.255,31.873)
  Top Layer w0.28: 26.319,43.226 USB1.1
  Top Layer w0.381: v1(9.347,36.297) 9.347,43.84 v1(9.601,44.094) ; C5.2 20.014,26.53 20.014,31.418 22.047,33.452 22.047,36.386 v1@21.73,36.703
  Top Layer w0.4: v1(2.982,29.745) GPS.6 3.463,29.787 3.463,33.608 2.286,34.785 2.286,35.922 3.385,37.02 3.385,37.675 J1.2 ; SPI.6 v1(2.982,15.394) 2.921,15.333 2.921,8.598 3.616,7.903 H9.4 3.616,3.683 4.505,2.794 7.366,2.794 9.271,4.699 11.938,4.699 ; R1.2@11.938,6.579 11.938,4.699 ; v1(14.919,1.778) H8.4 11.938,4.699
  Top Layer w0.569: C6.2 C5.2
  Top Layer w0.61: R7.1 v1(21.539,36.703) v1@21.73,36.703
  Top Layer w0.762: Power.1 26.106,1.849 H2.4 26.106,5.274 H2.3 26.106,8.204 H2.2 H2.1 26.106,15.488 v1(26.111,15.494) ; *.3 v1(28.727,24.257)
  Bottom Layer w0.762: v1(2.982,15.394) v1(2.982,29.745) ; v1(8.255,31.873) 9.347,32.965 v1(9.347,36.297) ; v1(9.601,44.094) 18.644,44.094 19.589,43.149 19.589,34.747 20.549,33.788 20.549,30.988 26.111,25.425 v1(26.111,15.494) 28.727,18.11 v1(28.727,24.257) 28.727,29.515 v1(21.539,36.703) 25.908,41.072 25.908,41.783 26.289,42.164 v1(26.289,42.799) ; v1(14.919,1.778) Power.1
VCCE: H6.1 H6.2 H6.3 H6.4 PowerE.1 电源连通点.1 | length 23.2
  Top Layer w0.254: v1(5.918,31.705) 6.051,31.572 7.074,32.545 8.572,32.545 8.915,32.202 电源连通点.1
  Top Layer w0.4: H6.4 5.207,39.677 5.207,36.957 PowerE.1
  Top Layer w1: H6.4 3.959,42.189 H6.3 H6.2 3.959,47.269 H6.1
  Bottom Layer w0.254: PowerE.1@5.918,35.128 PowerE.1
  Bottom Layer w0.5: v1(5.918,31.705) PowerE.1@5.918,35.128
pads on no net: 9250.2 9250.3 9250.4 9250.5 9250.6 9250.7 9250.12 9250.14 9250.15 9250.16 9250.17 9250.19 9250.21 9250.25 *. GPS.0 H8.0 H9.0 SPI.0 SPL.2 SPL.8@11.122,33.16 SWD.0 U1.2 U1.3 U1.4

## Polygon pours and split planes (outlines as drawn)
GND on Top Layer "Top Layer-No Net" (hatched 90Degree grid 0.508 track 0.203, pour order 0): 0,0 29.845,0 29.845,50 0,50
GND on Bottom Layer "Top Layer-No Net" (hatched 90Degree grid 0.508 track 0.203, pour order 2): 0,50 0,0 29.845,0 29.845,50

## Keep-outs
Keep-Out Layer:
  lines w0.254: 0,50 0,0 30,0 ; 0,50.038 30,50.038 ; 29.845,0 29.845,50

## Silkscreen, mask and mechanical layers (free items; w line width, h text height)
Top Overlay:
  text "T4" at 7.874,44.907 h1
  text "G" at 15.993,44.031 h1 r90
  text "3" at 7.874,43.129 h1
  text "3V3" at 12.065,42.926 h1 r90
  text "CLK" at 14.859,42.824 h1 r90
  text "DIO" at 13.462,42.799 h1 r90
  text "4" at 8.128,40.462 h1
  text "PPM" at 8.128,39.116 h1 r270
  text "GND" at 3.048,33.401 h1
  text "VCC2" at 5.715,32.893 h1
  text "→" at 18.161,32.131 h7 r90
  text "V" at 5.461,29.464 h1
  text "T1" at 5.461,28.19 h1
  text "R1" at 5.461,26.873 h1
  text "." at 14.986,26.543 h3
  text "CL" at 5.461,25.984 h1
  text "DA" at 5.461,24.333 h1
  text "G" at 5.461,23.063 h1
  text "V" at 5.226,15.062 h1
  text "A15" at 5.226,13.792 h1
  text "B3" at 5.226,12.522 h1
  text "4" at 21.59,11.506 h1
  text "B4" at 5.226,11.379 h1
  text "B5" at 5.226,10.109 h1
  text "3" at 21.59,9.347 h1
  text "G" at 5.226,8.839 h1
  text "T3" at 4.318,6.68 h1
  text "2" at 21.59,6.68 h1
  text "V" at 3.362,5.996 h1
  text "R3" at 5.359,5.918 h1
  text "V" at 14.859,5.537 h1
  text "T2" at 15.748,5.537 h1
  text "R2" at 17.145,5.537 h1
  text "G" at 18.288,5.537 h1
  text "T3" at 21.209,4.953 h1
  text "G" at 8.128,4.775 h1
Bottom Overlay:
  text "GUETFLYmini--2018.11" at 24.965,0.553 h2.54

## Text inside footprints (layer, text, board x,y; h text height)
USB1: Top Overlay "USB" at 26.543,47.773 h1.02 r180